# Altium PCB Copy of GameBoard_V1I1_083018.PcbDoc (part 8 of 21) (continued)
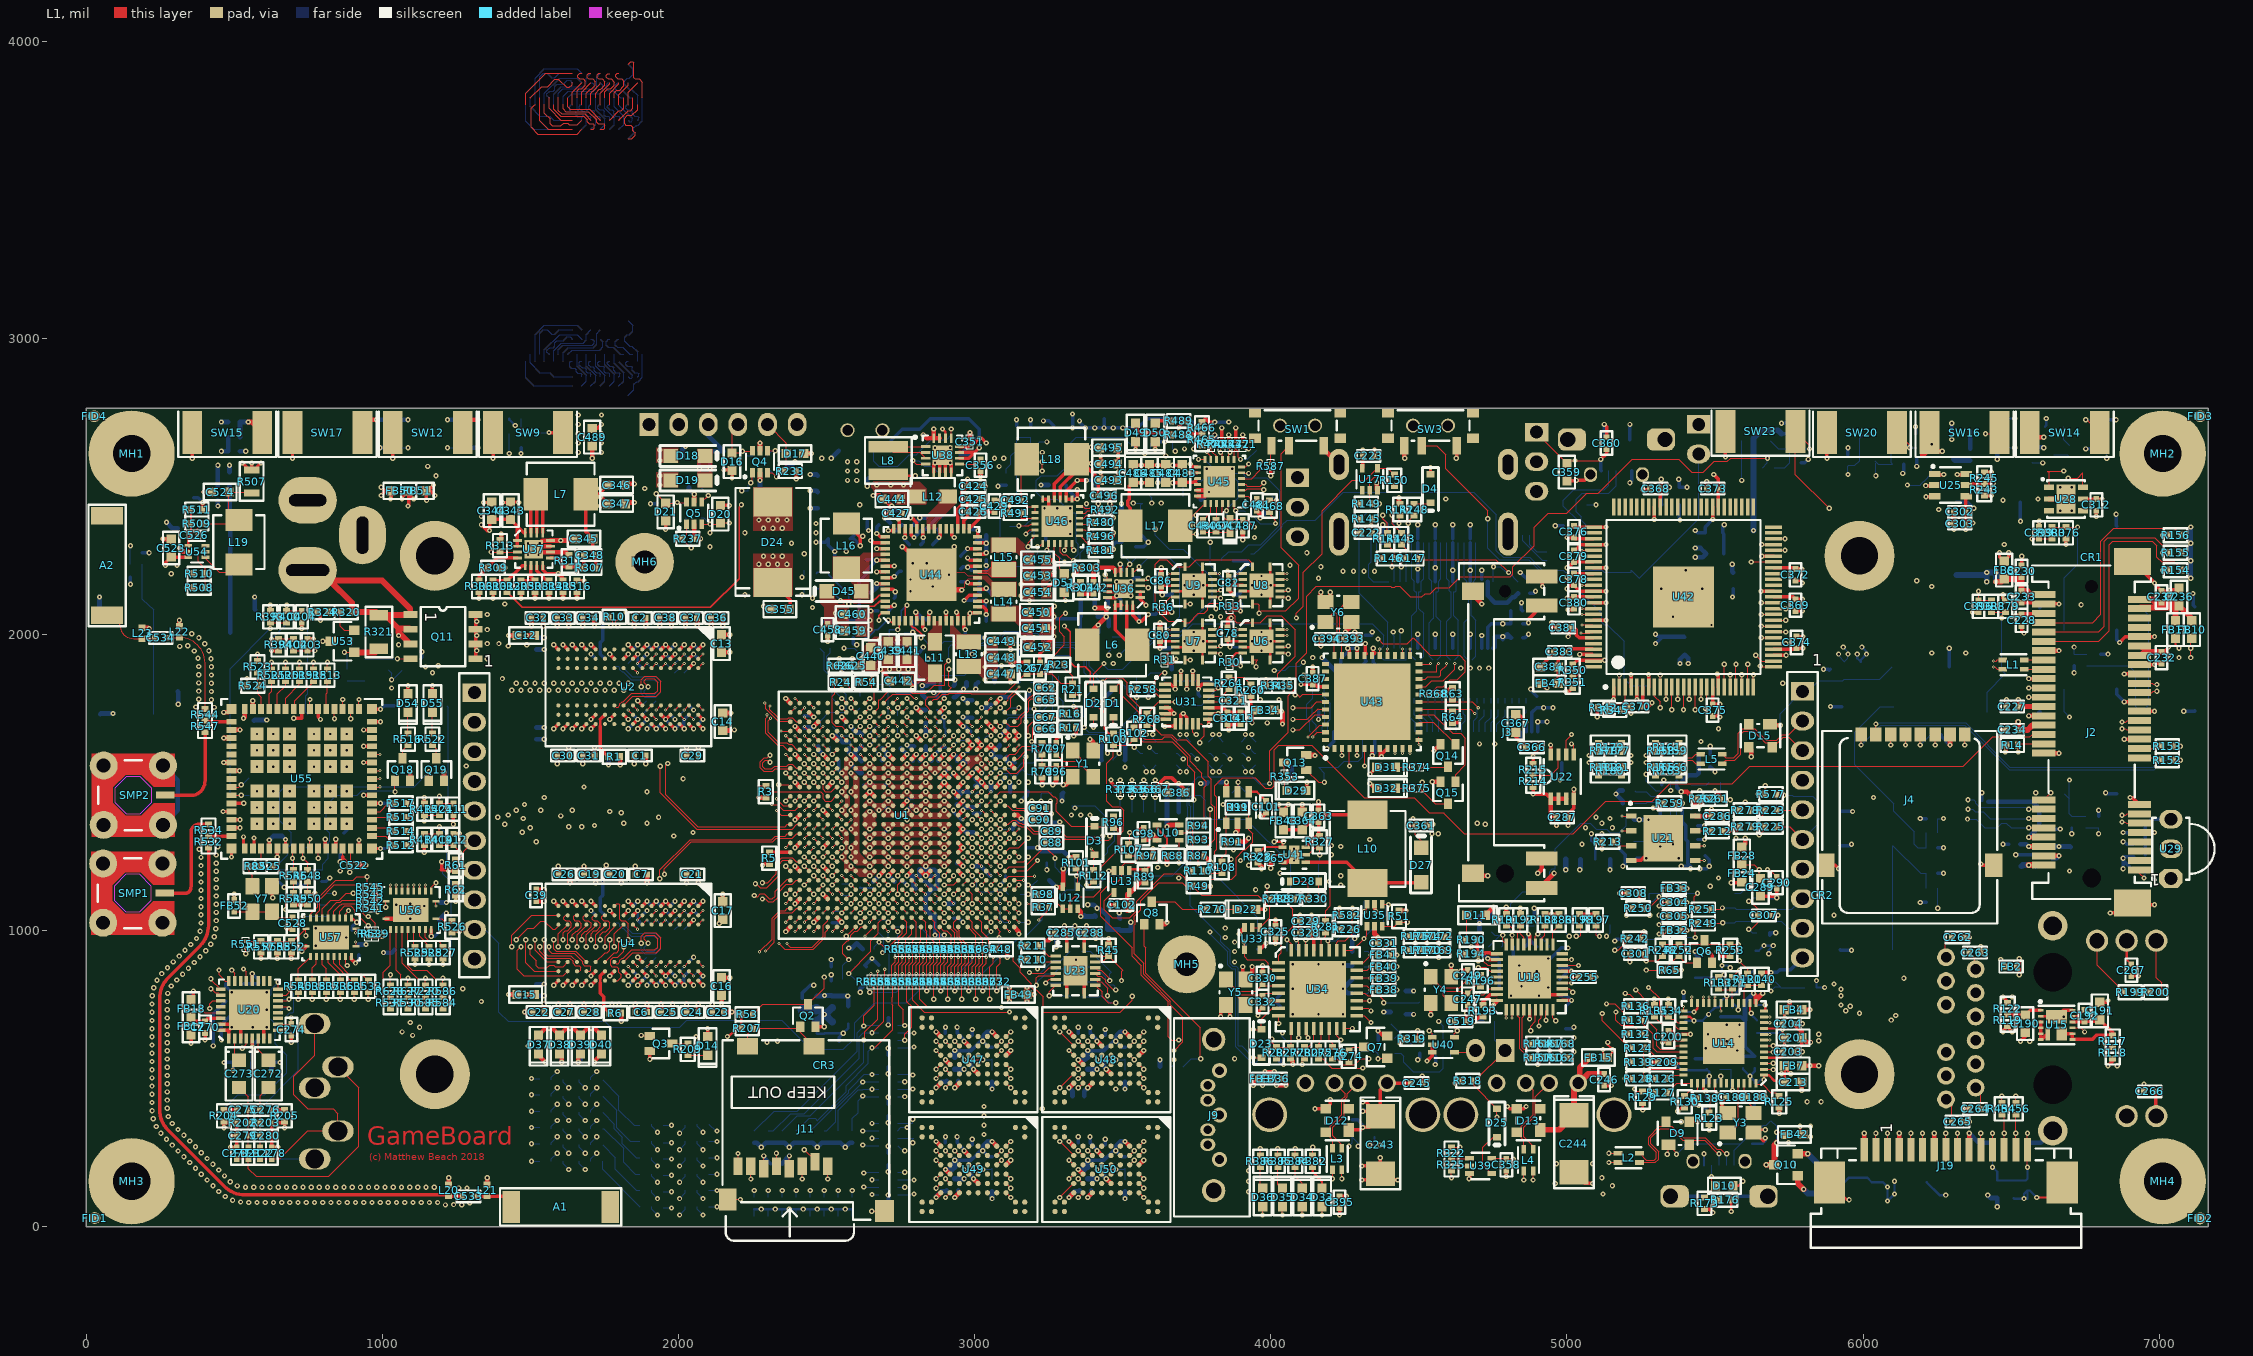
[diagram p0: L1 view]
## Nets (pads, with @x,y where several pads share a name; then routed paths per layer and width w, separated by ;. In a path a pad name is that pad's centre, name@x,y a point inside that pad or via, vN(x,y) a via of type N, cw(c..) or ccw(c..) an arc to the next point about the centre after c; other vN are vias at no path point) (continued)
  L8 (PWR) w7.87: v1(2271.65,2385.83) 2271.65,2492.08 2292.32,2512.75 2292.32,2550.68 2368.61,2626.97 2577.76,2626.97 2602.36,2602.36 v2(2602.36,2582.68) 2661.42,2582.68 2768.7,2689.96 2833.7,2689.96 2847.48,2676.18 2869.14,2676.18 2885.87,2692.91 v1(2891.73,2692.91) 2900.59,2684.06 2900.59,2622.99 2910.39,2613.19 3048.23,2613.19 v1(3066.93,2594.49) 3066.93,2582.68 v1(3051.18,2566.93) ; v1(2350.39,2358.27) 2511.81,2519.68 v2(2570.87,2519.68) ; v2(2570.87,2551.18) v2(2570.87,2582.68) ; v2(2602.36,2519.68) 2611.55,2519.68 2628.28,2536.42 2798.23,2536.42 v2(2799.21,2535.43)
  L12 w7.87: v2(2799.21,2535.43) 2806.1,2528.54 R317.2@2830.71,2528.54 ; FB14.1@4350.39,301.18 4350.39,291.34 v1(4334.65,275.59) v1(4370.08,275.59) ; v1(5082.68,1326.77) C261.1@5082.68,1303.15 5095.87,1289.96 U19.7@5095.87,1240.16 ; Q9.3@5925.59,149.61 5937.01,149.61 5952.76,165.35 6013.78,165.35 C357.1@6029.53,149.61 6066.93,149.61 v1(6082.68,133.86) v1(6082.68,86.61) v1(6106.3,110.24) v1(6106.3,153.54) ; v1(5980.31,1933.07) 5980.31,1919.29 FB27.2@5992.13,1907.48 5992.13,1913.39 v1(6011.81,1933.07) 6011.81,1940.94 v1(5996.06,1956.69)
  other v1: 2287.4,2358.27 2318.9,2358.27 2303.15,2385.83 2334.65,2385.83 2366.14,2385.83
  other v2: 2602.36,2551.18
+VIN_ETH: C190.1 R119.2 R122.2 U15.1 | length 119.1
  L1 w11.81: R119.2@6488.19,716.54 6490.16,714.57 C190.1@6547.24,714.57 6549.21,714.57 6564.96,730.31 U15.1@6600,730.31
ACTIVE: D28.1 LCD1.31 Q13.1 R330.1 U42.8 | length 3031.2
  L1 w3.94: D28.1@4065.42,1165.35 4114.17,1165.35 4125.98,1153.54 R330.1@4125.98,1106.3 ; Q13.1@4120.08,1541.34 4161.42,1500 v1(4181.1,1500) ; U42.8@5295.28,1821.85 5295.28,1791.34 5314.96,1771.65 v1(5314.96,1751.97)
  L3 w3.94: v1(4181.1,1500) 4299.21,1500 4318.9,1519.68 4318.9,1535.43 4350.39,1566.93 4381.89,1566.93 4409.45,1594.49 4460.63,1594.49 4485.63,1619.49 4509.26,1619.49 4511.22,1617.53 v1(4511.22,1500.59) ; v1(4236.22,1283.46) 4240.16,1283.46 4263.78,1307.09 v1(4334.65,1307.09)
  L10 w3.94: v1(4129.92,1133.86) 4140.54,1133.86 4186.8,1180.12 4193.9,1180.12 4228.35,1214.57 4228.35,1275.59 v1(4236.22,1283.46) ; v1(4181.1,1500) 4181.1,1480.31 4334.65,1326.77 v1(4334.65,1307.09) ; v1(4511.22,1500.59) 4525.77,1500.59 4539.16,1487.2 4907.59,1487.2 4950.63,1530.24 4981.48,1530.24 5062.01,1610.76 5062.01,1613.19 5082.68,1633.86 5329.92,1633.86 5341.73,1645.67 5439.75,1645.67 5446.64,1652.56 5462.39,1652.56 5492.13,1682.3 5492.13,1763.22 5460.07,1795.28 5322.83,1795.28 5314.96,1787.4 v1(5314.96,1751.97)
  L12 w3.94: v1(4181.1,1500) 4181.1,1531.5 4161.42,1551.18 4228.35,1551.18 4248.03,1570.87 4295.28,1570.87 4311.02,1586.61 LCD1.31@4311.02,1671.26
ANALOG_IN_0_SW: R289.1 U34.25 U35.4 | length 171.6
  L1 w3.94: U34.25@4248.03,933.07 4275.59,933.07 v1(4314.96,972.44) 4324.8,982.28 U35.4@4324.8,1013.78
  L12 w3.94: v1(4314.96,972.44) 4314.96,976.38 R289.1@4342.52,1003.94
ANALOG_IN_1: R226.2 R582.2 TP53.1 U34.26 | length 201.2
  L1 w3.94: U34.26@4222.44,933.07 4222.44,958.66 4228.35,964.57 4251.97,964.57 4275.59,988.19 R226.2@4275.59,1003.94 R582.2@4275.59,1051.18 v1(4275.59,1074.8)
  L12 w3.94: TP53.1@4275.59,1051.18 v1(4275.59,1074.8)
ANALOG_IN_2: R227.2 R583.2 TP54.1 U34.20 | length 232.6
  L1 w3.94: U34.20@4290.35,788.39 4317.91,788.39 4326.77,779.53 4366.14,779.53 4381.89,763.78 v1(4381.89,755.91)
  L12 w3.94: v1(4381.89,755.91) R227.2@4456.69,755.91 4499.32,755.91 TP54.1@4503.26,759.84
ANALOG_IN_3: R228.2 TP55.1 U34.27 | length 112.1
  L1 w3.94: v1(4192.91,964.57) 4196.85,960.63 U34.27@4196.85,933.07
  L12 w3.94: v1(4192.91,964.57) 4220.47,964.57 TP55.1@4228.35,972.44 4240.02,984.11 R228.2@4240.02,1007.87
ANT1: R532.1 R534.2 U55.32 | length 77.8
  L1 w11.81: R532.1@413.39,1318.9 U55.32@491.14,1318.9
ANT1_FEED: A1.1 C533.2 L21.1 | length 159.4
  L1 w11.81: C533.2@1311.02,102.36 1435.04,102.36 A1.1@1435.04,66.93
ANT1_LC: C533.1 L20.1 R532.2 | length 2106.8
  L1 w11.81: R532.2@413.39,1279.53 413.39,1017.8 cw(c313.39,1017.8) 384.1,947.09 277.32,840.31 ccw(c348.03,769.6) 248.03,769.6 248.03,395.75 ccw(c348.03,395.75) 277.32,325.04 465.79,136.57 ccw(c536.5,207.28) 536.5,107.28 L20.1@1228.35,107.28 ; L20.1@1224.41,103.35 1225.39,102.36 C533.1@1271.65,102.36
ANT2: R544.1 R547.2 U55.18 | length 96.8
  L1 w11.81: U55.18@491.14,1704.72 R544.1@405.51,1704.72 ; R544.1@405.51,1704.72 R544.1@401.57,1708.66 R544.1@405.51,1704.72
ANT2_FEED: A2.1 C534.2 L23.1 | length 230.4
  L1 w3.94: A2.1@70.87,2064.96 A2.1@114.17,2064.96 ; A2.1@122.05,2064.96 A2.1@114.17,2064.96 ; C534.2@232.28,1988.19 229.33,1985.24 L23.1@188.98,1985.24 160.43,1985.24 cw(c160.43,2031.5) 114.17,2031.5 A2.1@114.17,2064.96
ANT2_LC: C534.1 L22.1 R544.2 | length 334.3
  L1 w3.94: C534.1@271.65,1988.19 313.98,1988.19 L22.1@314.96,1989.17 cw(c314.96,1902.56) 401.57,1902.56 R544.2@401.57,1748.03
AUD3_CLK: R58.2 U20.21 | length 4139.4
  L1 w3.94: v1(531.5,870.08) 541.34,860.24 U20.21@541.34,829.13
  L3 w3.94: v1(531.5,870.08) 531.5,885.83 598.43,952.76 598.43,1110.24 583.51,1125.15 583.51,1192.91 614.02,1223.43 685.51,1223.43 693.8,1215.13 793.87,1215.13 877.95,1299.21 877.95,1318.9 858.27,1338.58 858.27,1744.09 988.19,1874.02 988.19,1993.11 1043.31,2048.23 1280.67,2048.23 1306.26,2073.82 1325.11,2073.82 1358.27,2106.97 1358.27,2145.67 1374.02,2161.42 1434.31,2161.42 1481.55,2208.66 1566.93,2208.66 1582.68,2224.41 1598.98,2224.41 1740.72,2366.14 1936.49,2366.14 1940.43,2370.08 1941.97,2370.08 1948.09,2376.2 1955.19,2369.09 2088.37,2369.09 2100.18,2357.28 2249.02,2357.28 2264.46,2341.84 2271.81,2341.84 2278.02,2335.63 2420.28,2335.63 2413.39,2328.74 2413.39,2317.55 2447.83,2283.1 2447.83,2238.65 2440.94,2231.76 2440.94,2230.93 2465.39,2206.48 2465.39,2155.82 2483.27,2137.95 2483.27,2130.91 2528.54,2085.63 2537.61,2085.63 2582.68,2040.56 2582.68,2022.27 2609.87,1995.08 2615,1995.08 2632.87,1977.21 2632.87,1951.1 2654.84,1929.13 2654.84,1884.53 2677.76,1861.61 2677.76,1738.77 2678.68,1737.85 2677.76,1736.93 2677.76,1727.64 2684.33,1721.06 2685.63,1721.06 2685.63,1717.85 2685.04,1717.26 2685.04,1689.65 2677.17,1681.78 2677.17,1665.23 2684.92,1657.48 2700.91,1657.48 2723.43,1634.96 2723.43,1619.87 2713.79,1610.24 2677.17,1610.24 2661.42,1625.98 v2(2645.67,1625.98)
  L12 w3.94: v2(2645.67,1625.98) R58.2@2673.23,1653.54
AUD3_CLK_R: R58.1 U1.T5 | length 69.1
  L1 w3.66: v2(2645.67,1657.48) U1.T5@2661.42,1641.73
  L12 w3.66: v2(2645.67,1657.48) 2645.67,1665.35 R58.1@2673.23,1692.91
AUD3_RXD: U1.N3 U20.25 | length 4286.6
  L1 w3.94: v1(421.26,837.3) 421.26,834.25 U20.25@454.33,801.18 ; U1.N3@2755.91,1704.73 v3(2771.65,1688.98)
  L3 w3.94: v1(421.26,837.3) 421.26,866.14 488.19,933.07 488.19,941.62 523.62,977.05 523.62,1177.57 560.04,1213.99 560.04,1249.53 581.17,1270.67 604.54,1270.67 665.35,1331.48 665.35,1783.46 751.97,1870.08 811.02,1870.08 846.46,1905.51 846.46,2015.75 944.88,2114.17 1255.91,2114.17 1334.65,2192.91 1421.26,2192.91 1468.5,2240.16 1553.88,2240.16 1569.63,2255.91 1585.94,2255.91 1727.67,2397.64 1904.16,2397.64 1908.1,2401.57 1928.92,2401.57 1935.81,2408.46 1960.63,2408.46 1986.12,2433.95 1989.95,2430.12 2002.18,2430.12 2013.01,2440.94 2084.8,2440.94 2087.76,2437.99 2153.33,2437.99 2165.14,2449.8 2177.38,2449.8 2204.93,2422.24 2218.71,2422.24 2241.35,2444.88 2460.63,2444.88 2511.81,2393.7 2511.81,2350.95 2531.5,2331.27 2531.5,2296.47 2542.32,2285.64 2542.32,2283.15 2543.74,2281.73 2543.74,2265.99 2557.32,2252.4 2578.31,2252.4 2654.53,2176.18 2654.53,2165.14 2663.18,2156.5 2674.21,2156.5 2717.52,2113.19 2734.46,2113.19 2743.11,2104.54 2743.11,2087.6 2773.62,2057.09 2773.62,1993.42 2787.4,1979.64 2787.4,1959.44 2811.02,1935.81 2811.02,1874.17 2788.23,1851.38 2776.57,1851.38 2740.16,1814.96 2740.16,1791.34 2740.75,1790.75 2740.75,1790.63 2747.32,1784.06 2747.44,1784.06 2748.03,1783.46 2748.03,1782.79 2767.72,1763.1 2767.72,1745.29 2786.42,1726.59 2786.42,1714.36 2783.46,1711.4 v4(2783.46,1700.79)
  L2 w3.94: v3(2771.65,1688.98) v4(2783.46,1700.79)
AUD3_TXC: R57.2 U20.24 | length 4450.8
  L1 w3.94: v1(448.82,866.14) 448.82,850.39 470.08,829.13 U20.24@482.28,829.13
  L3 w3.94: v1(448.82,866.14) 448.82,834.65 432.09,817.91 415.14,817.91 406.5,809.26 406.5,797.03 416.13,787.4 448.43,787.4 504.53,843.5 516.73,843.5 516.73,919.5 533.25,936.02 542.32,936.02 566.93,960.63 566.93,1187.47 610.76,1231.3 688.77,1231.3 697.06,1223.01 742.69,1223.01 768.7,1249.02 768.7,1300.2 810.04,1341.54 810.04,1756.95 960.63,1907.54 960.63,2005.96 1021.79,2067.13 1288.43,2067.13 1303,2081.69 1321.85,2081.69 1350.39,2110.24 1350.39,2148.93 1370.75,2169.29 1431.04,2169.29 1478.29,2216.54 1563.67,2216.54 1579.42,2232.28 1595.72,2232.28 1737.46,2374.02 1913.95,2374.02 1917.88,2377.95 1938.7,2377.95 1945.59,2384.84 1968.5,2384.84 1971.46,2381.89 2095.26,2381.89 2104.12,2390.75 2177.38,2390.75 2189.68,2378.44 2246.35,2378.44 2281.29,2343.5 2378.94,2343.5 2429.13,2393.7 2465.76,2393.7 2488.19,2371.27 2488.19,2341.17 2507.87,2321.48 2507.87,2302.99 2497.05,2292.17 2497.05,2266.89 2507.87,2256.06 2507.87,2223.06 2613.24,2117.69 2607.28,2111.74 2607.28,2080.34 2614.17,2073.45 2614.17,2035.43 2617.13,2032.48 2663.69,2032.48 2716.54,1979.64 2716.54,1929.13 2724.41,1921.26 2740.16,1921.26 2759.84,1901.57 2759.84,1874.69 2751.29,1866.14 2740.16,1866.14 2708.66,1834.65 2708.66,1755.91 2740.16,1724.41 2740.16,1665.47 2732.16,1657.48 v2(2740.16,1657.48)
  L12 w3.94: v2(2740.16,1657.48) R57.2@2740.16,1685.04
AUD3_TXC_R: R57.1 U1.N1 | length 49.8
  L1 w3.66: v2(2740.16,1751.97) U1.N1@2755.91,1767.72
  L12 w3.66: R57.1@2740.16,1724.41 v2(2740.16,1751.97)
AUD3_TXD: U1.P2 U20.26 | length 4191.9
  L1 w3.66: v3(2708.66,1751.97) U1.P2@2724.41,1736.22
  L1 w3.94: v1(421.26,803.15) 421.77,803.15 435.55,789.37 446.46,789.37 U20.26@454.33,781.5
  L3 w3.94: v1(421.26,803.15) 453.04,803.15 501.27,851.38 502.95,851.38 507.87,856.3 507.87,933.07 539.37,964.57 539.37,1171.04 607.5,1239.17 615.93,1239.17 639.55,1262.8 678.36,1262.8 748.03,1332.47 748.03,1720.47 787.4,1759.84 787.4,1787.4 838.58,1838.58 880.54,1838.58 913.39,1871.43 913.39,2035.43 960.63,2082.68 1244.09,2082.68 1251.97,2090.55 1254.55,2090.55 1341.17,2177.17 1427.78,2177.17 1475.03,2224.41 1560.41,2224.41 1576.15,2240.16 1592.46,2240.16 1734.19,2381.89 1910.68,2381.89 1914.62,2385.83 1935.44,2385.83 1942.33,2392.72 1987.05,2392.72 1995.91,2401.57 2469.02,2401.57 2496.06,2374.53 2496.06,2344.43 2515.75,2324.75 2515.75,2299.73 2504.92,2288.9 2504.92,2270.15 2515.75,2259.32 2515.75,2226.32 2622.05,2120.02 2622.05,2115.37 2615.16,2108.48 2615.16,2096.25 2624.79,2086.61 2636.6,2086.61 2643.49,2093.5 2657.27,2093.5 2663.18,2087.6 2693.12,2087.6 2727.36,2053.36 2727.36,2041.13 2724.41,2038.18 2724.41,1933.07 2728.35,1929.13 2763.78,1929.13 2791.34,1901.57 2791.34,1876.76 2781.71,1867.13 2763.41,1867.13 2724.41,1828.13 2724.41,1776.27 2720.47,1772.33 v4(2720.47,1763.78)
  L2 w3.94: v3(2708.66,1751.97) v4(2720.47,1763.78)
AUD3_TXFS: U1.N4 U20.23 | length 4201.7
  L1 w3.94: v1(492.13,866.14) 501.97,856.3 U20.23@501.97,829.13 ; U1.N4@2755.91,1673.23 v3(2771.65,1657.48)
  L3 w3.94: v1(492.13,866.14) 492.13,901.57 496.06,905.51 496.06,938.36 531.5,973.79 531.5,1174.31 567.91,1210.72 567.91,1246.27 584.44,1262.8 628.42,1262.8 636.29,1270.67 657.69,1270.67 715.55,1328.53 715.55,1737.2 712.6,1740.16 712.6,1811.02 755.91,1854.33 830.71,1854.33 889.76,1913.39 889.76,2031.5 956.69,2098.43 1251.29,2098.43 1337.91,2185.04 1424.52,2185.04 1471.77,2232.28 1557.14,2232.28 1572.89,2248.03 1589.2,2248.03 1730.93,2389.76 1907.42,2389.76 1911.36,2393.7 1932.18,2393.7 1939.07,2400.59 1983.79,2400.59 1992.64,2409.45 2472.28,2409.45 2503.94,2377.8 2503.94,2347.69 2523.62,2328.01 2523.62,2296.47 2512.8,2285.64 2512.8,2273.41 2523.62,2262.59 2523.62,2229.58 2620.7,2132.51 2662.25,2132.51 2755.91,2038.85 2755.91,2000 2779.53,1976.38 2779.53,1956.17 2803.15,1932.55 2803.15,1877.43 2784.97,1859.25 2773.31,1859.25 2732.28,1818.22 2732.28,1787.4 2756.89,1762.8 2756.89,1695.87 v4(2783.46,1669.29)
  L2 w3.94: v3(2771.65,1657.48) v4(2783.46,1669.29)
AUD_HP_L: C272.1 U20.6 | length 87.5
  L1 w3.94: U20.6@580.71,635.43 580.71,596.54 C272.1@615.08,562.17
AUD_HP_R: C273.1 U20.2 | length 79.4
  L1 w3.94: U20.2@501.97,635.43 501.97,576.85 C273.1@516.65,562.17
AUD_HP_VGND: R201.1 U20.4 | length 75.2
  L1 w3.94: v1(527.56,602.36) 541.34,616.14 U20.4@541.34,635.43
  L12 w3.94: v1(527.56,602.36) 539.37,614.17 R201.1@539.37,633.86
AUD_VAG: C274.1 U20.10 | length 65.4
  L1 w3.94: U20.10@648.03,683.07 690.95,683.07 C274.1@692.91,685.04 v1(692.91,704.72)
BAT1: C488.1 R475.1 U45.13 U45.14 | length 425.4
  L1 w11.81: v1(3728.35,2545.28) U45.14@3751.97,2545.28 ; v1(3728.35,2574.8) 3738.19,2564.96 U45.13@3751.97,2564.96
  L8 (PWR) w11.81: v1(3535.43,2442.91) v1(3598.43,2442.91) v1(3629.92,2442.91) 3635.83,2442.91 3728.35,2535.43 v1(3728.35,2545.28) v1(3728.35,2574.8)
  L12 w3.94: v1(3535.43,2442.91) 3566.93,2442.91 3561.02,2437.01 C488.1@3561.02,2413.39 ; R475.1@3582.68,2476.38 3598.43,2460.63 v1(3598.43,2442.91)
BAT2: C498.1 R476.1 U46.13 U46.14 | length 318.6
  L1 w11.81: v1(3346.46,2488.19) v1(3346.46,2456.69) U46.13@3328.74,2456.69 U46.14@3309.06,2456.69 3309.06,2482.28 v1(3346.46,2519.68) v1(3377.95,2519.68)
  L12 w11.81: C498.1@3309.06,2503.94 3309.06,2494.09 v1(3346.46,2456.69) ; v1(3377.95,2519.68) 3393.7,2519.68 R476.1@3437.01,2476.38
BL_CTRL: D28.2 R327.1 R329.1 R330.2 U41.5 | length 300
  L1 w3.94: U41.5@4117.91,1255.91 4125.98,1255.91 4149.61,1279.53 R327.1@4165.35,1279.53 v1(4165.35,1255.91) ; R330.2@4165.35,1106.3 4161.42,1110.24 v1(4161.42,1133.86) D28.2@4161.42,1165.35 D28.2@4165.35,1169.29
  L12 w3.94: R329.1@4165.35,1106.3 4165.35,1129.92 v1(4161.42,1133.86) 4161.42,1228.35 4165.35,1232.28 v1(4165.35,1255.91)
BL_PWM: R329.2 U1.B19 | length 1655.6
  L1 w3.94: U1.B19@3102.36,1200.79 3117.01,1215.43 3169.86,1215.43 3230.02,1275.59 3244.09,1275.59 3271.65,1248.03 v1(3271.65,1244.09)
  L12 w3.94: v1(3271.65,1244.09) 3271.65,1213.72 3291.48,1193.9 3305.33,1193.9 3316.15,1204.72 3345.68,1204.72 3361.08,1189.32 3361.08,1176.78 3347.62,1163.32 3347.62,1163 3372.82,1137.8 3400.31,1137.8 3447.56,1185.04 3667.42,1185.04 3729.33,1246.95 3729.33,1419.08 3725.39,1423.02 3725.39,1447.06 3734.04,1455.71 3762.02,1455.71 3778.54,1439.19 3778.54,1386.49 3790.03,1375 3895.88,1375 3896.15,1375.28 3916.06,1375.28 4066.93,1224.41 4066.93,1144.48 4092.31,1119.09 4104.54,1119.09 4108.48,1123.03 4109.25,1123.03 R329.2@4125.98,1106.3
BOARD_ID_1: R73.2 U1.W23 | length 56.8
  L1 w3.66: v2(2551.18,1059.06) U1.W23@2566.93,1074.8
  L12 w3.66: R73.2@2518.98,1064.62 2545.61,1064.62 v2(2551.18,1059.06)
BOARD_VARIANT_0: R72.1 R76.2 U1.P25 | length 203
  L1 w3.94: U1.P25@2724.41,1011.81 v2(2740.16,996.06)
  L12 w3.94: R72.1@2712.6,826.77 2712.6,925.2 2740.16,952.76 v2(2740.16,996.06)
BOARD_VARIANT_1: R71.1 R75.2 U1.R24 | length 297.5
  L1 w3.94: v1(2574.8,854.33) 2649.61,929.13 2649.61,964.57 2675.2,990.16 2675.2,1025.59 U1.R24@2692.91,1043.31
  L12 w3.94: R71.1@2594.49,834.65 v1(2574.8,854.33) 2594.49,874.02 R75.2@2594.49,877.95
BOARD_VARIANT_2: R70.1 R74.2 U1.U25 | length 238.4
  L1 w3.94: v1(2574.8,901.57) 2555.12,921.26 2555.12,949.94 2570.73,965.55 2573.04,965.55 2581.69,974.2 2581.69,984.14 2595.59,998.03 2604.13,998.03 2612.2,1006.1 2612.2,1007.03 2616.99,1011.81 U1.U25@2629.92,1011.81
  L12 w3.94: R70.1@2555.12,834.65 R74.2@2555.12,877.95 2555.12,881.89 v1(2574.8,901.57)
BOOT_CFG_00: R578.1 R642.2 RN2.9 | length 994.4
  L1 w3.94: v2(2763.78,629.21) 2763.78,649.61 2787.4,673.23 2787.4,744.09 2771.65,759.84 2771.65,812.4 R642.2@2767.72,816.34
  L10 w3.94: v2(2303.15,122.05) 2366.14,185.04 2440.94,185.04 2645.67,389.76 2645.67,429.13 2669.29,452.76 2669.29,460.63 2685.04,476.38 2685.04,512.49 2693.9,521.34 2693.9,521.86 2702.55,530.51 2703.06,530.51 2751.97,579.42 2751.97,582.68 2763.78,594.49 v2(2763.78,629.21)
  L12 w3.94: R578.1@2303.15,98.43 v2(2303.15,122.05) ; RN2.9@2740.16,629.21 v2(2763.78,629.21)
BOOT_CFG_01: R579.1 R643.2 RN2.8 | length 1154.8
  L1 w3.94: v3(2897.64,854.33) 2897.64,881.89 2909.45,893.7 R643.2@2909.45,926.57
  L3 w3.94: v2(2795.28,653.54) 2795.28,677.17 2863.19,745.08 2871.58,745.08 2885.83,759.32 2885.83,767.72 2900.59,782.48 2900.59,830.31 v4(2897.64,833.27)
  L10 w3.94: v2(2350.39,122.05) 2403.94,175.59 2455.12,175.59 2548.23,268.7 2548.23,281.19 2653.54,386.5 2653.54,409.45 2665.35,421.26 2669.29,421.26 2681.1,433.07 2681.1,456.69 2779.53,555.12 2779.53,618.11 2795.28,633.86 v2(2795.28,653.54)
  L2 w3.94: v4(2897.64,833.27) v3(2897.64,854.33)
  L12 w3.94: R579.1@2350.39,98.43 v2(2350.39,122.05) ; RN2.8@2740.16,654.25 2763.78,654.25 2764.49,653.54 v2(2795.28,653.54)
BOOT_CFG_02: R588.1 R644.2 RN2.10 | length 1025.3
  L1 w3.94: v2(2838.58,795.28) R644.2@2838.58,816.34
  L10 w3.94: v2(2397.64,122.05) 2424,122.05 2448.02,146.06 2510.64,146.06 2519.29,154.71 2519.29,176.77 2599.41,256.89 2599.41,284.97 2610.24,295.79 2610.24,313.77 2607.28,316.72 2607.28,329.11 2661.42,383.24 2661.42,405.51 2669.29,413.39 2685.04,413.39 2692.91,421.26 2692.91,452.76 2723.43,483.27 2723.43,487.88 2767.04,531.5 2775.59,531.5 2795.28,551.18 v2(2795.28,606.3) 2807.09,618.11 2814.96,625.98 2814.96,692.91 2838.58,716.54 v2(2838.58,795.28)
  L12 w3.94: R588.1@2397.64,98.43 v2(2397.64,122.05) ; RN2.10@2740.16,604.25 2793.23,604.25 v2(2795.28,606.3)
BOOT_CFG_03: R629.1 R645.2 RN1.8 | length 1058.8
  L1 w3.94: v3(2874.02,854.33) 2874.02,881.89 2885.83,893.7 R645.2@2885.83,926.57
  L3 w3.94: v2(2763.78,488.9) 2744.09,508.58 2744.09,630.41 2778.54,664.86 2778.54,676.18 2855.32,752.95 2868.32,752.95 2877.95,762.59 2877.95,779.32 2865.65,791.62 2865.65,802.66 2874.02,811.02 v4(2874.02,833.27)
  L10 w3.94: v2(2492.13,122.05) 2508.9,122.05 2723.43,336.57 2723.43,407.79 2739.67,424.03 2739.67,453.25 2763.78,477.36 v2(2763.78,488.9)
  L2 w3.94: v4(2874.02,833.27) v3(2874.02,854.33)
  L12 w3.94: R629.1@2492.13,98.43 v2(2492.13,122.05) ; RN1.8@2740.16,488.9 v2(2763.78,488.9)
BOOT_CFG_04: R630.1 R646.2 RN1.9 | length 940.1
  L1 w3.94: v2(2885.83,795.28) R646.2@2885.83,816.34
  L10 w3.94: v2(2539.37,122.05) 2693.9,276.57 2693.9,293.31 2749.02,348.43 2749.02,445.01 2757.66,453.66 2760.75,453.66 2771.65,464.57 v2(2791.34,464.57) 2814.96,464.57 2830.71,480.32 2830.71,496.74 2838.58,504.61 2838.58,683.69 2870.08,715.18 2885.83,730.93 v2(2885.83,795.28)
  L12 w3.94: R630.1@2539.37,98.43 v2(2539.37,122.05) ; RN1.9@2740.16,463.86 2790.63,463.86 v2(2791.34,464.57)
BOOT_CFG_05: R631.1 R647.2 RN1.7 | length 1002.4
  L1 w3.94: v2(2862.2,767.72) R647.2@2862.2,816.34
  L10 w3.94: v2(2444.88,122.05) 2471.25,122.05 2487.39,138.19 2513.9,138.19 2607.28,231.57 2607.28,281.71 2659.32,333.74 2659.66,333.74 2688.98,363.06 2688.98,389.76 2728.35,429.13 2728.35,460.63 2740.16,472.44 2740.16,493.48 2758.49,511.81 v2(2791.34,511.81) 2807.09,511.81 2830.71,535.43 2830.71,686.95 2862.2,718.45 v2(2862.2,767.72)
  L12 w3.94: R631.1@2444.88,98.43 v2(2444.88,122.05) ; RN1.7@2740.16,513.86 2789.29,513.86 v2(2791.34,511.81)
BOOT_CFG_06: R632.1 R648.2 RN1.10 | length 1001
  L1 w3.94: v3(2850.39,854.33) 2850.39,881.89 2862.2,893.7 R648.2@2862.2,926.57
  L3 w3.94: v2(2763.78,438.9) 2736.22,466.46 2736.22,633.67 2749.02,646.46 2749.02,690.98 2826.94,768.91 2842.52,768.91 2853.35,779.74 2853.35,830.31 v4(2850.39,833.27)
  L10 w3.94: v2(2586.61,122.05) 2587.81,122.05 2756.89,291.13 2756.89,347.65 2763.78,354.54 v2(2763.78,438.9)
  L2 w3.94: v4(2850.39,833.27) v3(2850.39,854.33)
  L12 w3.94: R632.1@2586.61,98.43 v2(2586.61,122.05) ; RN1.10@2740.16,438.9 v2(2763.78,438.9)
BOOT_CFG_07: R633.1 R649.2 RN1.5 | length 797
  L1 w3.94: v3(2803.15,854.33) 2803.15,881.89 2814.96,893.7 R649.2@2814.96,926.57
  L3 w3.94: v2(2653.54,513.86) 2684.06,544.37 2684.06,625 2717.52,658.46 2718.04,658.46 2731.3,671.73 2731.3,695.54 2803.15,767.39 v4(2803.15,833.27)
  L2 w3.94: v4(2803.15,833.27) v3(2803.15,854.33)
  L12 w3.94: R633.1@2444.88,322.83 2468.5,346.46 2469.18,346.46 2574.8,452.08 2574.8,460.63 2607.28,493.11 2607.28,494.3 2626.84,513.86 v2(2653.54,513.86) RN1.5@2677.17,513.86
BOOT_CFG_08: R634.1 R650.2 RN1.3 | length 777.1
  L1 w3.94: v3(2826.77,854.33) 2826.77,881.89 2838.58,893.7 R650.2@2838.58,926.57
  L3 w3.94: v2(2653.54,463.86) 2689.47,499.78 2689.47,531.99 2724.41,566.93 2724.41,632.99 2739.17,647.76 2739.17,692.28 2818.9,772 2818.9,803.15 2826.77,811.02 v4(2826.77,833.27)
  L2 w3.94: v4(2826.77,833.27) v3(2826.77,854.33)
  L12 w3.94: R634.1@2539.37,322.83 2539.37,393.7 2607.49,461.82 2622.05,461.82 2624.08,463.86 v2(2653.54,463.86) RN1.3@2677.17,463.86
BOOT_CFG_09: R635.1 R651.2 RN2.3 | length 704.1
  L1 w3.94: v2(2625.98,629.92) 2629.92,633.86 2629.92,657.48 2673.23,700.79 2673.23,792.72 R651.2@2673.23,816.34
  L12 w3.94: R635.1@2350.39,322.83 2401.57,374.02 2444.88,374.02 2625.98,555.12 v2(2625.98,629.92) 2626.69,629.21 RN2.3@2677.17,629.21
BOOT_CFG_10: R636.1 R652.2 RN2.4 | length 734.8
  L1 w3.94: v2(2653.54,654.25) 2654.25,654.25 2692.91,692.91 2692.91,812.4 R652.2@2696.85,816.34
  L12 w3.94: R636.1@2303.15,322.83 2320.39,322.83 2379.44,381.89 2425.2,381.89 2611.22,567.91 2611.22,641.44 2624.04,654.25 v2(2653.54,654.25) RN2.4@2677.17,654.25
BOOT_CFG_11: R637.1 R653.2 RN2.7 | length 1012.5
  L1 w3.94: R653.2@2744.09,816.34 2744.09,748.03 2759.84,732.28 2759.84,683.15 v2(2763.78,679.21)
  L10 w3.94: v2(2255.91,122.05) 2263.92,130.06 2285.8,130.06 2360.46,204.72 2426.39,204.72 2606.3,384.63 2606.3,446.08 2615.93,455.71 2617.13,455.71 2686.02,524.61 2686.02,525.12 2699.28,538.39 2699.8,538.39 2744.09,582.68 2744.09,642.98 2753.82,652.71 2753.82,669.25 v2(2763.78,679.21)
  L12 w3.94: R637.1@2255.91,98.43 v2(2255.91,122.05) ; RN2.7@2740.16,679.21 v2(2763.78,679.21)
BOOT_CFG_12: R638.1 R654.2 RN1.2 | length 744.8
  L1 w3.94: v3(2779.53,854.33) 2779.53,881.89 2791.34,893.7 R654.2@2791.34,926.57
  L3 w3.94: v2(2622.05,440.94) 2622.05,463.58 2638.78,480.32 2638.78,530.67 2676.18,568.08 2676.18,628.26 2714.26,666.34 2714.78,666.34 2723.43,674.99 2723.43,703.74 2759.84,740.16 2759.84,813.58 v4(2779.53,833.27)
  L2 w3.94: v4(2779.53,833.27) v3(2779.53,854.33)
  L12 w3.94: R638.1@2586.61,322.83 2586.61,365.58 2606.3,385.27 2606.3,425.2 v2(2622.05,440.94) 2624.09,438.9 RN1.2@2677.17,438.9
BOOT_CFG_13: R639.1 R655.2 RN2.2 | length 690
  L1 w3.94: v2(2653.54,604.25) 2663.31,604.25 2724.41,665.35 2724.41,746.84 2721.46,749.79 2721.46,773.83 2724.41,776.78 2724.41,812.4 R655.2@2720.47,816.34
  L12 w3.94: R639.1@2397.64,322.83 2440.94,366.14 2461.42,366.14 2469.3,358.27 2566.93,455.9 2566.93,476.38 2641.73,551.18 2641.73,592.44 v2(2653.54,604.25) RN2.2@2677.17,604.25
BOOT_CFG_14: R640.1 R656.2 RN2.5 | length 764.5
  L1 w3.94: v2(2625.98,677.17) 2625.98,712.6 2661.42,748.03 2661.42,803.15 2649.61,814.96 R656.2@2649.61,816.34
  L12 w3.94: R640.1@2255.91,322.83 2322.83,389.76 2401.57,389.76 2603.35,591.54 2603.35,654.53 v2(2625.98,677.17) 2628.03,679.21 RN2.5@2677.17,679.21
BOOT_CFG_15: R641.1 R657.2 RN1.4 | length 768.1
  L1 w3.94: v3(2732.28,854.33) 2732.28,881.89 2744.09,893.7 R657.2@2744.09,926.57
  L3 w3.94: v2(2622.05,488.19) 2622.05,551.88 2668.31,598.14 2668.31,672.24 2732.28,736.22 v4(2732.28,818.9)
  L2 w3.94: v4(2732.28,818.9) v3(2732.28,854.33)
  L12 w3.94: R641.1@2492.13,322.83 2500,322.83 2531.5,354.33 2531.5,397.64 v2(2622.05,488.19) 2622.76,488.9 RN1.4@2677.17,488.9
BOOT_CFG_16: R658.2 RN4.5 | length 777.4
  L1 w3.94: v3(2921.26,854.33) 2921.26,877.28 2933.07,889.09 R658.2@2933.07,926.57
  L3 w3.94: v2(2653.54,348.5) 2679.21,348.5 2700.79,370.08 2726.44,370.08 2814.96,458.6 2814.96,677.17 2867.92,730.12 2899.41,730.12 2927.17,757.87 2927.17,773.62 2913.39,787.4 2913.39,807.09 2921.26,814.96 v4(2921.26,833.27)
  L2 w3.94: v4(2921.26,833.27) v3(2921.26,854.33)
  L12 w3.94: v2(2653.54,348.5) RN4.5@2677.17,348.5
BOOT_CFG_17: R661.2 RN4.4 | length 867.5
  L1 w3.94: v3(2944.88,854.33) 2944.88,878.63 2956.69,890.44 R661.2@2956.69,926.57
  L3 w3.94: v2(2622.05,322.83) 2690.33,322.83 2703.12,335.63 2714.78,335.63 2723.43,344.28 2723.43,355.93 2822.83,455.34 2822.83,666.71 2878.38,722.25 2913.39,722.25 2941.93,750.79 2941.93,773.83 2947.83,779.74 2947.83,804.13 2944.88,807.09 v4(2944.88,833.27)
  L2 w3.94: v4(2944.88,833.27) v3(2944.88,854.33)
  L12 w3.94: v2(2622.05,322.83) 2652.83,322.83 2653.54,323.54 RN4.4@2677.17,323.54
BOOT_CFG_18: R660.2 RN3.9 | length 1082.3
  L1 w3.94: v2(3003.94,767.72) R660.2@3003.94,816.34
  L10 w3.94: v2(2763.78,133.15) 2764.49,133.86 2811.02,133.86 2830.71,114.17 2830.71,85.94 2849.72,66.93 2944.94,66.93 2955.71,77.7 2955.71,107.8 2949.85,113.66 2949.85,155.25 ; 2949.8,155.25 2949.8,167.53 2958.45,176.18 2971.46,176.18 2988.19,192.91 2988.19,264.3 2973.94,278.54 2972.44,278.54 2972.44,381.21 3027.56,436.33 3027.56,530.98 2996.06,562.47 2996.06,637.8 3011.81,653.54 3011.81,700.79 3003.94,708.66 v2(3003.94,767.72)
  L12 w3.94: RN3.9@2740.16,133.15 v2(2763.78,133.15)
BOOT_CFG_19: R659.2 RN4.3 | length 852.4
  L1 w3.94: v3(2968.5,854.33) 2968.5,879.98 2980.32,891.79 2980.32,913.45 R659.2@2980.32,926.57
  L3 w3.94: v2(2653.54,298.5) 2677.13,298.5 2706.38,327.76 2718.04,327.76 2731.3,341.02 2731.3,352.67 2830.71,452.08 2830.71,663.44 2879.86,712.6 2940.94,712.6 2971.46,743.11 2971.46,773.83 2960.63,784.66 2960.63,807.09 2968.5,814.96 v4(2968.5,833.27)
  L2 w3.94: v4(2968.5,833.27) v3(2968.5,854.33)
  L12 w3.94: v2(2653.54,298.5) RN4.3@2677.17,298.5
BOOT_CFG_20: R662.2 RN3.10 | length 1064.7
  L1 w3.94: v2(3027.56,795.28) R662.2@3027.56,816.34
  L10 w3.94: v2(2795.28,110.24) 2846.46,59.06 2948.2,59.06 2980.32,91.17 2980.32,169.29 2996.06,185.04 2996.06,275.59 3007.87,287.4 3007.87,311.02 2992.13,326.77 2992.13,389.76 3035.43,433.07 3035.43,534.24 3012.8,556.88 3012.8,569.11 3019.17,575.48 3019.17,602.36 3003.94,617.59 3003.94,634.53 3019.69,650.28 3019.69,656.8 3019.69,691.56 3027.56,699.44 v2(3027.56,795.28)
  L12 w3.94: RN3.10@2740.16,108.19 2793.23,108.19 v2(2795.28,110.24)
BOOT_CFG_21: R663.2 RN3.7 | length 1056.4
  L1 w3.94: v2(2956.69,767.72) R663.2@2956.69,816.34
  L10 w3.94: v2(2763.78,183.15) 2765.67,185.04 2799.21,185.04 2850.39,133.86 2850.39,94.49 2862.2,82.68 2909.45,82.68 2917.32,90.55 2917.32,165.35 2940.95,188.98 2940.95,207.99 2944.88,211.92 2944.88,212.39 2947.83,215.34 2947.83,270.67 2956.69,279.53 2956.69,387.74 3007.87,438.92 3007.87,467.31 2948.82,526.36 2948.82,574.8 2979.33,605.32 2979.33,642.72 2956.69,665.35 v2(2956.69,767.72)
  L12 w3.94: RN3.7@2740.16,183.15 v2(2763.78,183.15)